# Altium PCB Driver.PcbDoc (continued)
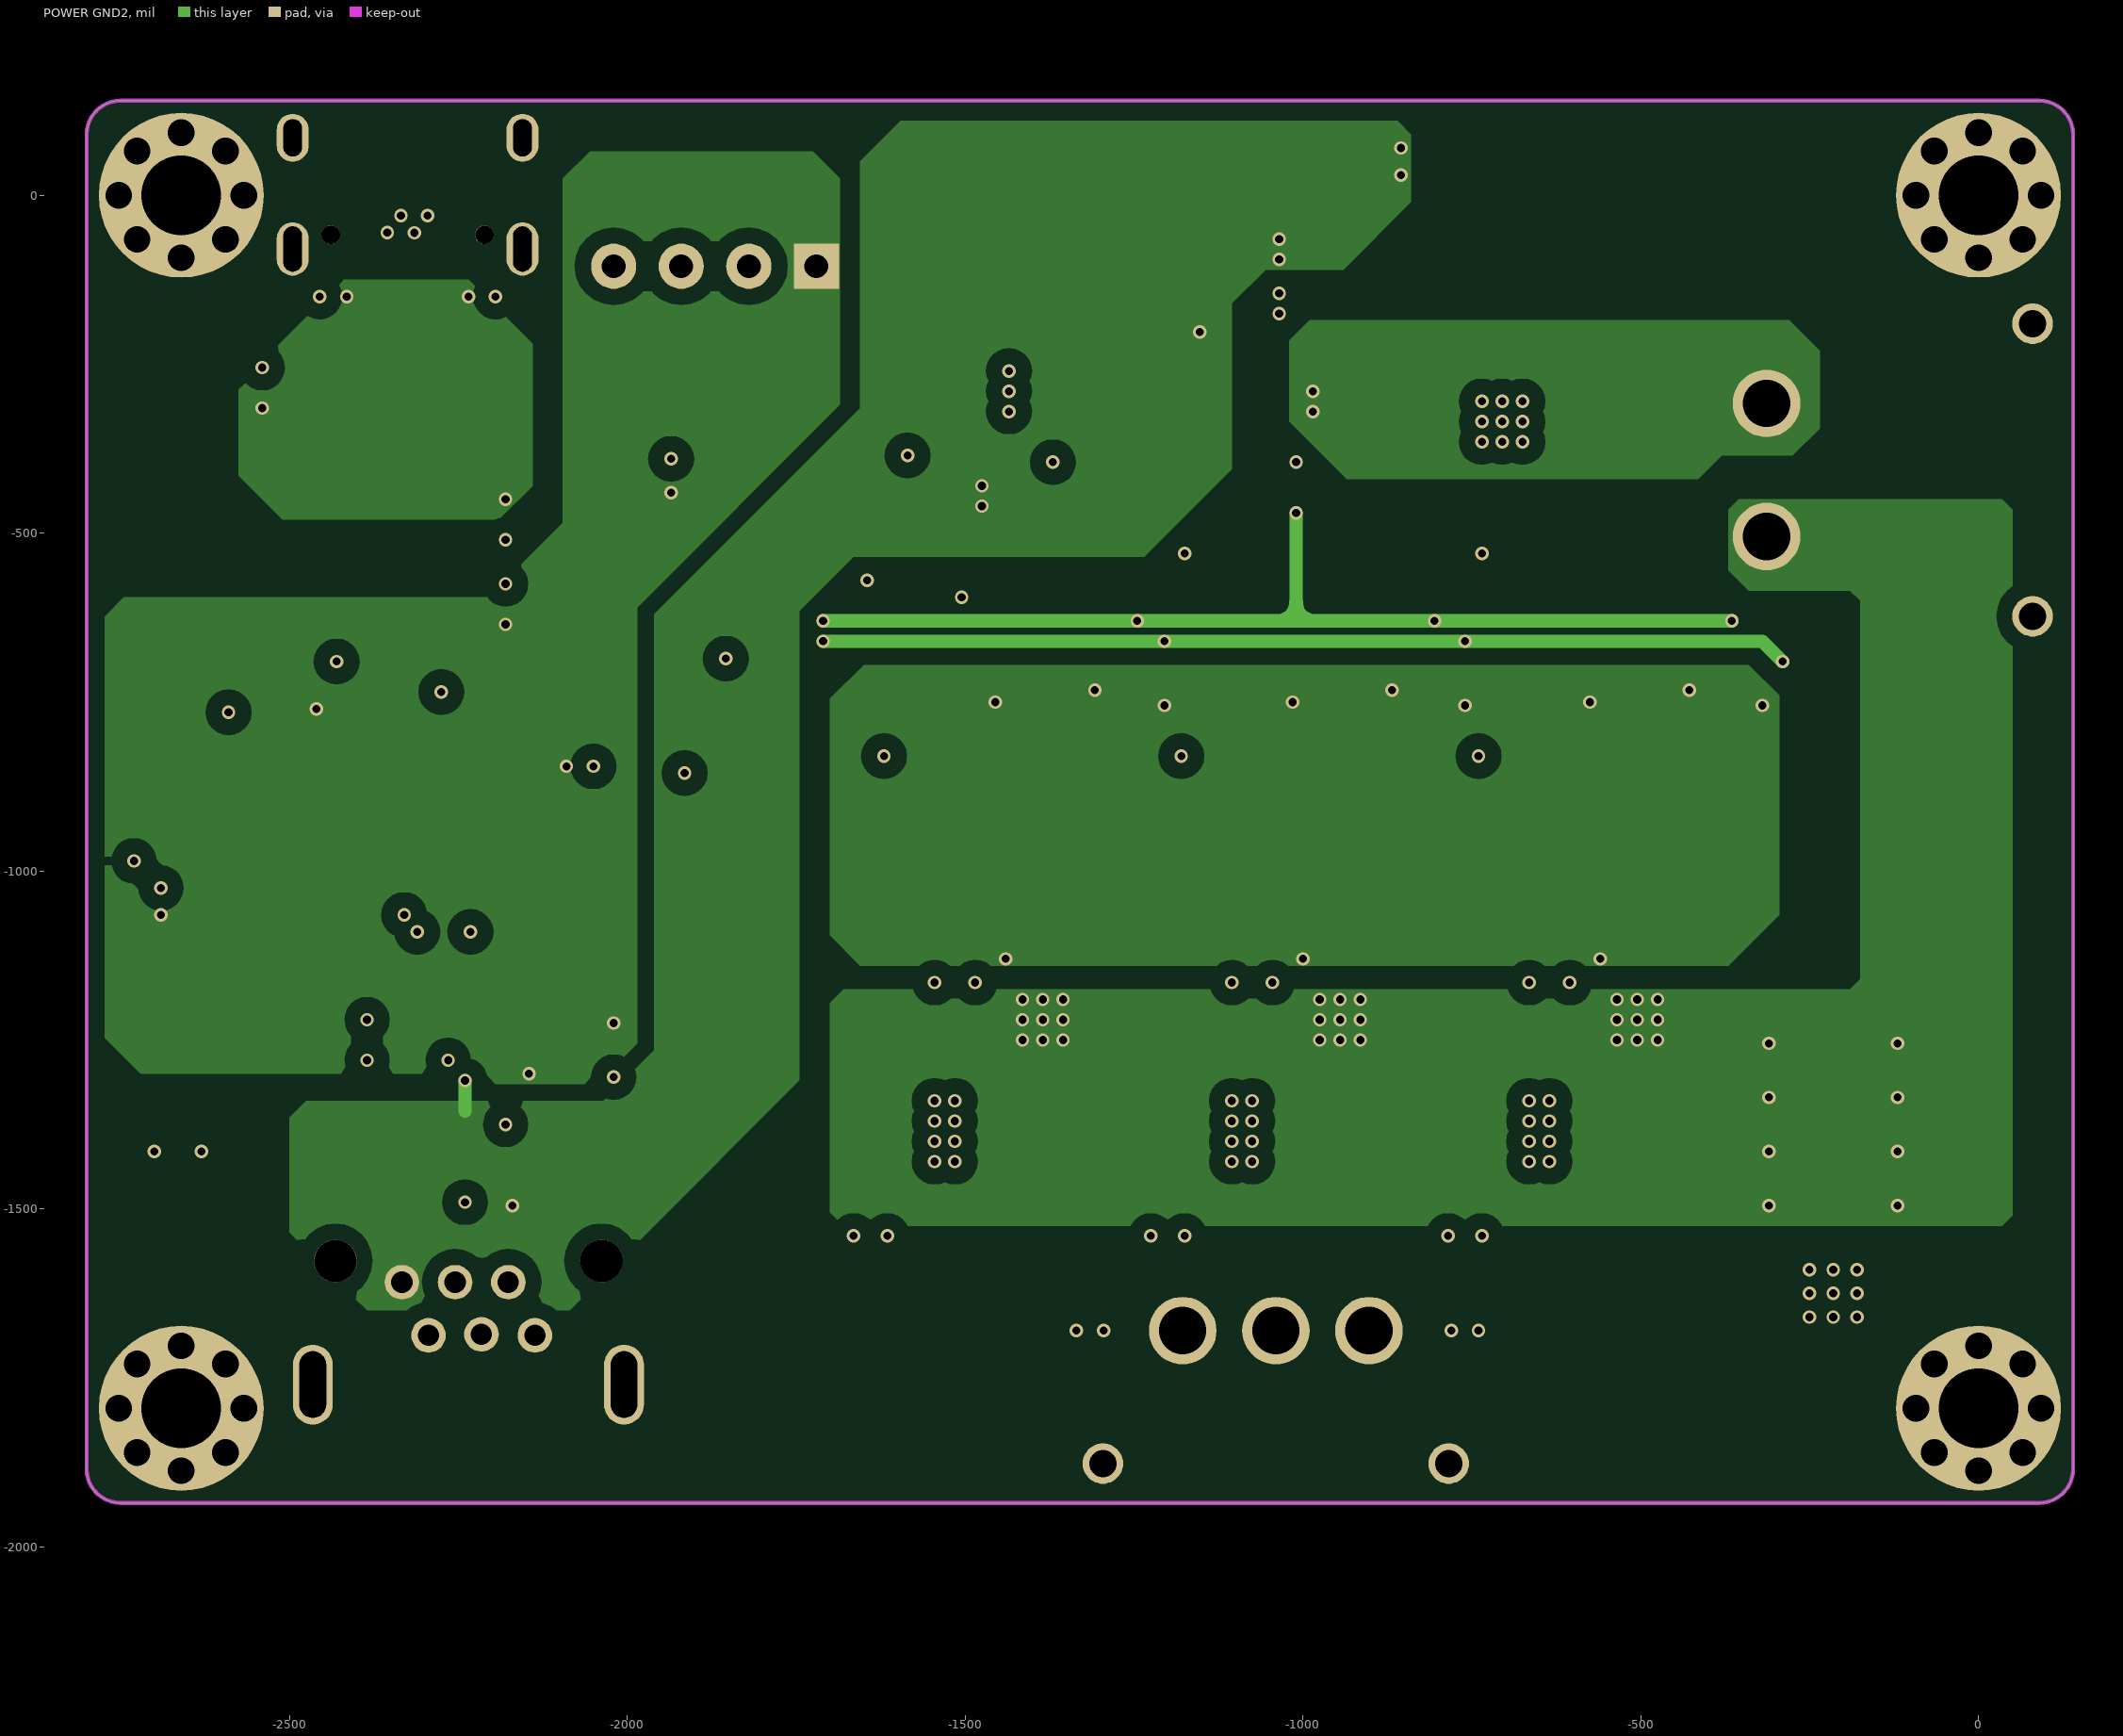
[diagram p3: POWER GND2]
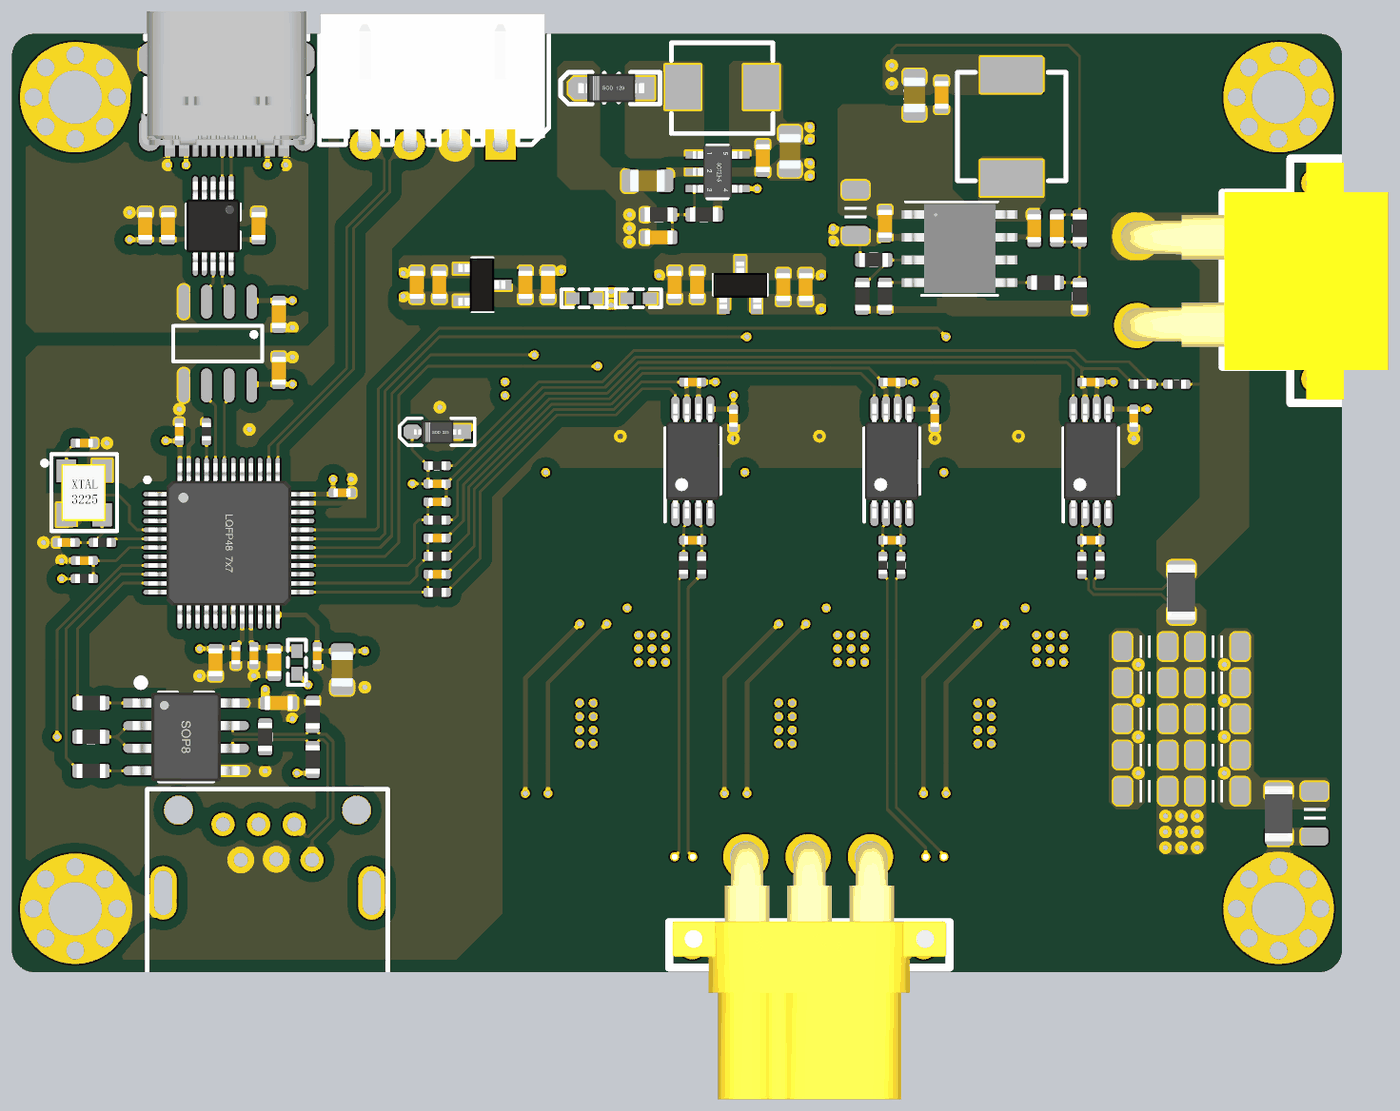
[diagram p4: 3D render of the assembled board from above, using the file's embedded part models]
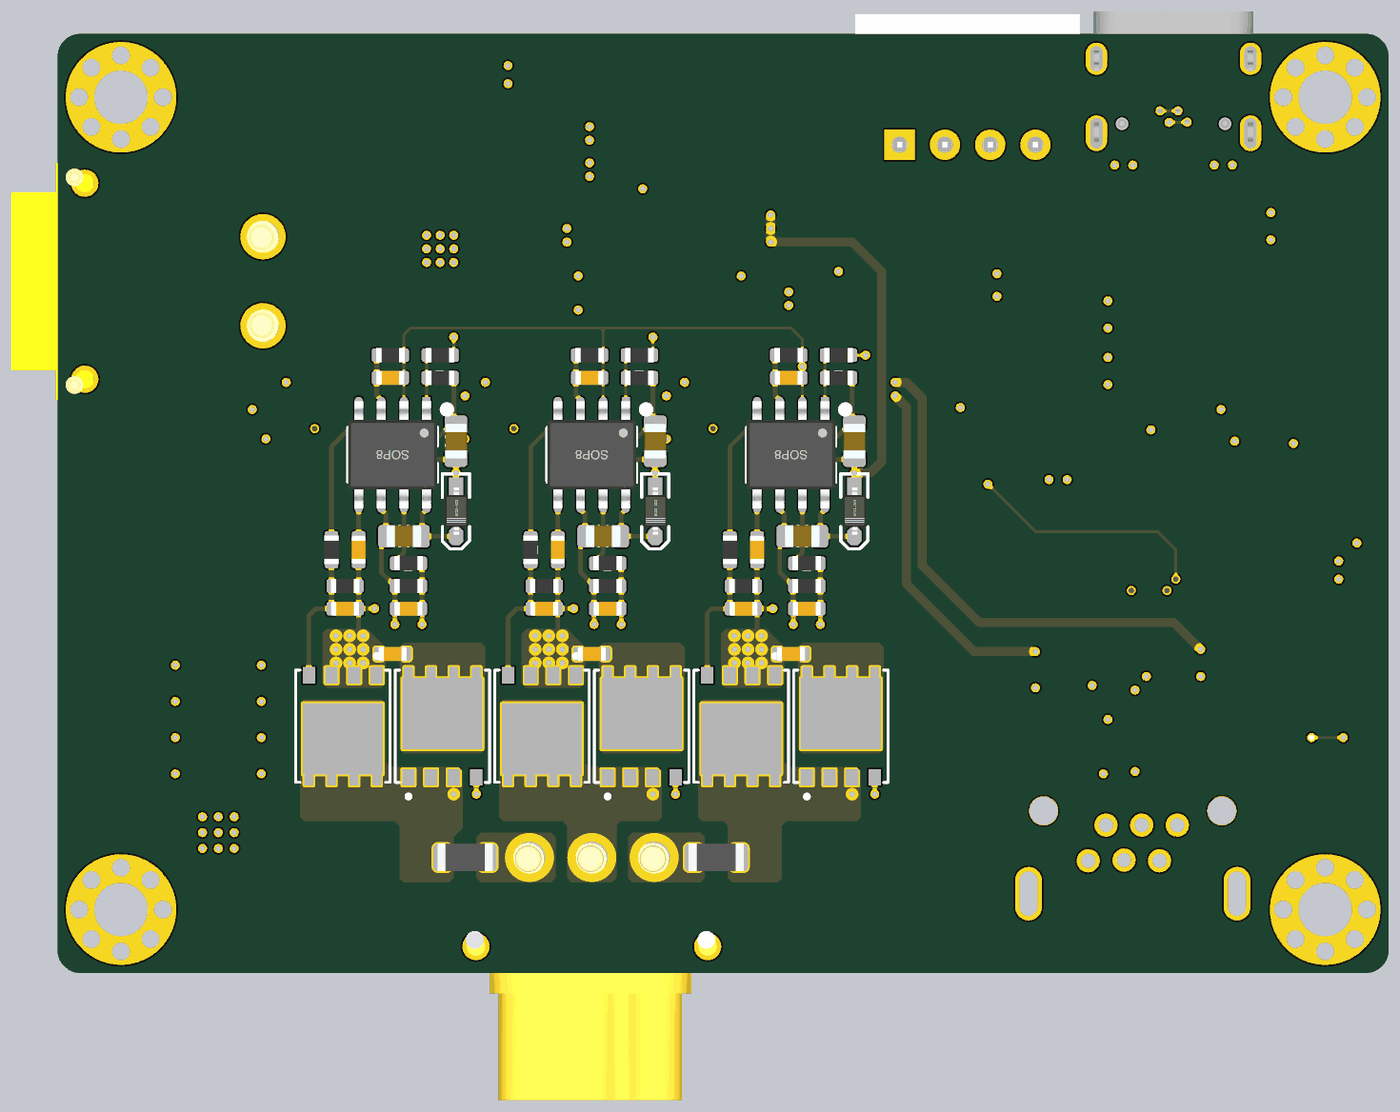
[diagram p5: 3D render of the assembled board from below, using the file's embedded part models]

## Layer stack, top to bottom
Top Solder: solder mask 0.4, Solder Resist, Dk 3.5
Top Layer: signal copper 1.4
Dielectric 2: prepreg 2.8, PP-006, Dk 4.1
POWER GND1: signal copper 1.378
Dielectric 1: dielectric 12.6, FR-4, Dk 4.8
POWER GND2: signal copper 1.378
Dielectric 3: prepreg 2.8, PP-006, Dk 4.1
Bottom Layer: signal copper 1.4
Bottom Solder: solder mask 0.4, Solder Resist, Dk 3.5

## Board outline
-2800,-1885 ccw(c-2750,-1885) -2750,-1935 90,-1935 ccw(c90,-1885) 140,-1885 140,90 ccw(c90,90) 90,140 -2750,140 ccw(c-2750,90) -2800,90

## Design rules (kind name [scope] priority, off if disabled: settings)
Clearance KeepOutLayer [((IsTrack Or IsArc) And Not InPoly) And IsFree and IsKeepOut vs ((IsTrack Or IsArc) And Not InPoly) And IsFree and IsKeepOut] p1: gap=0 ignorepadtopadclearanceinfootprint=FALSE
Clearance Clearance_Poly [InPolygon] p2: gap=23.62 ignorepadtopadclearanceinfootprint=FALSE except(0: Arc-Hole Track-Hole SMDPad-Hole THPad-Hole Via-Hole Fill-Hole Poly-Hole Region-Hole Text-Hole)
Clearance [All] p3: gap=6 ignorepadtopadclearanceinfootprint=FALSE except(0: Arc-Hole Track-Hole SMDPad-Hole THPad-Hole Via-Hole Fill-Hole Poly-Hole Region-Hole Text-Hole)
DiffPairsRouting [All] p1: maxlimit=10 minlimit=6 mostfreqgap=6 toplayer_minwidth=6 toplayer_maxwidth=15 toplayer_prefwidth=6 midlayer1_minwidth=6 midlayer1_maxwidth=15 midlayer1_prefwidth=6 midlayer2_minwidth=6 midlayer2_maxwidth=15 midlayer2_prefwidth=6 bottomlayer_minwidth=6 bottomlayer_maxwidth=15 bottomlayer_prefwidth=6 maxuncoupledlength=500
PolygonConnect [All] p1: connectstyle=Direct reliefconductorwidth=10 reliefentries=4 polygonreliefangle="90 Angle" airgapwidth=10
RoutingVias [All] p1: holewidth=28 width=50 viastyle="Through Hole" minholewidth=28 minwidth=50 maxholewidth=28 maxwidth=50
SolderMaskExpansion [All] p1: expansion=4 istentingtop=FALSE
Width [All] p1: maxlimit=100 minlimit=6 preferedwidth=6
29 further rules are at their usual default settings.

## Classes and differential pairs
component class Main: C60 H1 H2 H3 H4 R46
component class Power: C44 C45 C46 C47 C48 C49 C50 C52 C53 C54 C55 C56 C57 C58 C59 C61 C63 C64 CP14 D1 D7 FB3 FB4 JP5 L1 L2 R7 R37 R38 R39 R40 R41 R42 R43 R44 R45 R49 U10 U11 U12 U14
component class Driver: C2 C3 C7 C8 C9 C10 C11 C12 C13 C14 C15 C16 C17 C18 C19 C20 C21 C22 C23 C24 C25 C26 C27 C28 C29 C30 C41 C42 C43 C51 CP1 CP2 CP3 CP4 CP5 CP6 CP7 CP8 CP9 CP10 CP11 CP12 CP13 D3 D4 D5 JP3 M1 M2 M3 M4 M5 M6 R8 R9 R10 R11 R12 R13 R14 R15 R16 R17 R18 R19 R20 R21 R22 R23 R24 R25 R26 R27 R28 R29 R30 R31 R32 R33 R36 R47 R48 R50 RS1 RS2 RS3 U2 U4 U5 U6 U7 U8
component class Controller: C31 C32 C33 C34 C35 C36 C37 C38 C39 C40 C62 FB1 JP4 R34 R35 R51 U9 X1
component class Communication: C1 C4 C5 C6 C65 C66 JP1 R1 R2 R3 R4 R5 R6 U1 U3 U13 USB1
differential pair USB_D: +USB_D_P -USB_D_N
differential pair 485: +485_P -485_N

## Components (designator, comment, footprint, x,y, rotation, side; value= is the part's Value field where it differs from the comment)
C1 "100nF" C0603 -2210,-1340 r180 top
C2 "1nF" C0402 -1860,-1055 r0 top
C3 "1nF" C0402 -1860,-975 r0 top
C4 "100nF" C0603 -2255,-285 r90 top
C5 "100nF" C0603 -2455,-285 r90 top
C6 "10uF" C0603 -2505,-285 r90 top
C7 "10uF" C0805 -1620,-760 r90 bottom
C8 "100nF" C0603 -965,-1000 r270 bottom
C9 "1uF" C0805 -1505,-970 r0 bottom
C10 "1nF" C0402 -1860,-895 r0 top
C11 "1.5nF/25V" C0402 -1295,-980 r180 top
C12 "100nF" C0402 -760,-710 r90 top
C13 "100nF" C0402 -855,-630 r0 top
C14 "1nF" C0603 -1475,-620 r0 bottom
C15 "4.7nF" C0603 -1515,-1130 r0 bottom
C16 "1.5nF/25V" C0402 -855,-980 r180 top
C17 "100nF" C0402 -1205,-710 r90 top
C18 "100nF" C0402 -1295,-630 r0 top
C19 "10uF" C0805 -1180,-760 r90 bottom
C20 "100nF" C0603 -1405,-1000 r270 bottom
C21 "1uF" C0805 -1065,-970 r0 bottom
C22 "4.7nF" C0603 -1375,-1130 r180 bottom
C23 "1nF" C0603 -1035,-620 r0 bottom
C24 "4.7nF" C0603 -1075,-1130 r0 bottom
C25 "10uF" C0805 -740,-760 r90 bottom
C26 "100nF" C0603 -525,-1000 r270 bottom
C27 "1uF" C0805 -625,-970 r0 bottom
C28 "4.7nF" C0603 -935,-1130 r180 bottom
C29 "1nF" C0603 -595,-620 r0 bottom
C30 "4.7nF" C0603 -635,-1130 r0 bottom
C31 "10uF" C0805 -2070,-1265 r90 top
C32 "100nF" C0402 -2070,-875 r180 top
C33 "100nF" C0402 -2125,-1235 r90 top
C34 "100nF" C0402 -2430,-740 r270 top
C35 "1uF" C0603 -2220,-1250 r270 top
C36 "100nF" C0402 -2265,-1235 r270 top
C37 "100nF" C0402 -2305,-1235 r270 top
C38 "20pF" C0402 -2640,-765 r180 top
C39 "20pF" C0402 -2680,-985 r0 top
C40 "100nF" C0402 -2640,-1025 r0 top
C41 "4.7nF" C0603 -495,-1130 r180 bottom
C42 "1.5nF/25V" C0402 -415,-980 r180 top
C43 "100nF" C0402 -320,-710 r90 top
C44 "10uF" C0603 -1285,-415 r270 top
C45 "100nF" C0603 -1335,-415 r270 top
C46 "10uF" C0603 -1045,-420 r270 top
C47 "10uF" C0603 -1615,-415 r270 top
C48 "100nF" C0603 -1665,-415 r270 top
C49 "10uF" C0603 -1905,-415 r270 top
C50 "100nF" C0603 -540,-290 r90 top
C51 "100nF" C0402 -415,-630 r0 top
C52 "100nF/100V" C0603 -870,-280 r270 top
C53 "100nF" C0603 -745,5 r90 top
C54 "22uF" C0805 -805,5 r270 top
C55 "100pF" C0603 -490,-290 r270 top
C56 "4.7pF" C0603 -1370,-310 r180 top
C57 "4.7uF" C0805 -1395,-185 r180 top
C58 "10uF" C0805 -1080,-120 r90 top
C59 "100nF" C0603 -1140,-135 r90 top
C60 "1nF/2000V" C1206 80,-1585 r270 top
C61 "1nF" C0402 -1860,-855 r0 top
C62 "1uF" C0603 -2350,-1250 r270 top
C63 "100nF" C0603 -1095,-420 r270 top
C64 "100nF" C0603 -1855,-415 r270 top
C65 "100nF" C0603 -2210,-480 r90 top
C66 "100nF" C0603 -2210,-605 r90 top
CP1 "100nF/100V" C0603 -1480,-1230 r180 bottom
CP2 "100nF/100V" C0603 -1040,-1230 r180 bottom
CP3 "47uF/100V" C1206 -135,-1375 r180 top
CP4 "47uF/100V" C1206 -135,-1295 r180 top
CP5 "47uF/100V" C1206 -135,-1215 r180 top
CP6 "47uF/100V" C1206 -295,-1375 r0 top
CP7 "47uF/100V" C1206 -295,-1455 r0 top
CP8 "100nF/100V" C0603 -600,-1230 r180 bottom
CP9 "47uF/100V" C1206 -295,-1215 r0 top
CP10 "47uF/100V" C1206 -295,-1295 r0 top
CP11 "47uF/100V" C1206 -135,-1535 r180 top
CP12 "47uF/100V" C1206 -135,-1455 r180 top
CP13 "47uF/100V" C1206 -295,-1535 r0 top
CP14 "10uF/100V" C1206 -935,-255 r270 top
D1 "MM3Z3V3B" SOD-323 -1860,-740 r180 top
D3 "MMDL914" SOD-323 -1620,-915 r270 bottom
D4 "MMDL914" SOD-323 -1180,-915 r270 bottom
D5 "MMDL914" SOD-323 -740,-915 r270 bottom
D7 "MBR0530" SOD-123 -1475,20 r180 top
FB1 "600 Ohms@100MHz" "FB 0402" -2170,-1250 r90 top
FB3 "FCM1608KF-301T05" "FB 0402" -1415,-445 r0 top
FB4 "FCM1608KF-301T05" "FB 0402" -1535,-445 r180 top
H1 "HOLE" "定位孔 Φ3 1" 0,0 r0 top
H2 "HOLE" "定位孔 Φ3 1" -2660,-1795 r0 top
H3 "HOLE" "定位孔 Φ3 1" 0,-1795 r0 top
H4 "HOLE" "定位孔 Φ3 1" -2660,0 r0 top
JP1 "1394-6P" 1394-6P -2235,-1760 r0 top
JP3 "MR30PW" MR30PW-FB -902.21,-1680 r180 top
JP4 "HDR-1X4" XH2.54-4P_H -1720,-105 r180 top
JP5 "XT30PW" XT30PW-M -313.7,-308.11 r270 top
L1 "47uH" "L 0630" -590,-65 r90 top
L2 "6.8uH" "L 0530" -1230,20 r180 top
M1 "BSC070N10NS5" TDSON-8 -1590,-1390 r180 bottom
M2 "BSC070N10NS5" TDSON-8 -1370,-1390 r0 bottom
M3 "BSC070N10NS5" TDSON-8 -1150,-1390 r180 bottom
M4 "BSC070N10NS5" TDSON-8 -930,-1390 r0 bottom
M5 "BSC070N10NS5" TDSON-8 -710,-1390 r180 bottom
M6 "BSC070N10NS5" TDSON-8 -490,-1390 r0 bottom
R1 "1K" R0603 -2135,-1365 r90 top
R2 "100Ω" R0603 -2625,-1340 r0 top
R3 "100Ω" R0603 -2625,-1415 r0 top
R4 "220Ω" R0603 -2240,-1415 r90 top
R5 "100Ω" R0603 -2625,-1490 r0 top
R6 "1K" R0603 -2135,-1465 r90 top
R7 "1K" R0402 -1860,-815 r180 top
R8 "1K" R0402 -1860,-1015 r0 top
R9 "5.1Ω" R0603 -1515,-1030 r0 bottom
R10 "10Ω" R0402 -1315,-1035 r270 top
R11 "10K" R0603 -1515,-1080 r180 bottom
R12 "390Ω" R0603 -1585,-570 r180 bottom
R13 "10Ω" R0402 -1275,-1035 r270 top
R14 "5.1Ω" R0603 -1345,-1000 r90 bottom
R15 "10K" R0603 -1475,-570 r0 bottom
R16 "10K" R0603 -1585,-620 r180 bottom
R17 "10K" R0603 -1375,-1080 r0 bottom
R18 "10Ω" R0402 -875,-1035 r270 top
R19 "10Ω" R0402 -835,-1035 r270 top
R20 "5.1Ω" R0603 -1075,-1030 r0 bottom
R21 "10K" R0603 -1075,-1080 r180 bottom
R22 "390Ω" R0603 -1145,-570 r180 bottom
R23 "5.1Ω" R0603 -905,-1000 r90 bottom
R24 "10K" R0603 -1035,-570 r0 bottom
R25 "10K" R0603 -1145,-620 r180 bottom
R26 "10K" R0603 -935,-1080 r0 bottom
R27 "5.1Ω" R0603 -635,-1030 r0 bottom
R28 "10K" R0603 -635,-1080 r180 bottom
R29 "390Ω" R0603 -705,-570 r180 bottom
R30 "5.1Ω" R0603 -465,-1000 r90 bottom
R31 "10K" R0603 -595,-570 r0 bottom
R32 "10K" R0603 -705,-620 r180 bottom
R33 "10K" R0603 -495,-1080 r0 bottom
R34 "10K" R0402 -2370,-740 r90 top
R35 "10K" R0402 -2640,-1065 r0 top
R36 "10Ω" R0402 -435,-1035 r270 top
R37 "180K" R0603 -895,-360 r180 top
R38 "2K" R0603 -515,-410 r180 top
R39 "105K" R0603 -440,-290 r90 top
R40 "470K" R0402 -225,-635 r0 top
R41 "42.4K" R0603 -920,-440 r90 top
R42 "20K" R0603 -440,-440 r90 top
R43 "15K" R0402 -300,-635 r0 top
R44 "1.8M" R0603 -1370,-260 r0 top
R45 "205K" R0603 -1270,-260 r0 top
R46 "3.3M" R1206 0,-1585 r90 top
R47 "1K" R0402 -1860,-935 r0 top
R48 "10Ω" R0402 -395,-1035 r270 top
R49 "510K" R0603 -870,-440 r90 top
R50 "1K" R0402 -1860,-1095 r0 top
R51 "390" R0402 -2600,-985 r0 top
RS1 "6mΩ" R1206 -1315,-1680 r180 bottom
RS2 "6mΩ" R1206 -760,-1680 r0 bottom
RS3 "3mΩ" R1206 -215,-1095 r90 top
U1 "CA-IF4820" SOP8_N -2415,-1415 r0 top
U2 "INA240A2PW" "TSSOP8_L 3*4.4mm" -415,-805 r90 top
U3 "CH340E" MSOP10 -2355,-285 r270 top
U4 "INA240A2PW" "TSSOP8_L 3*4.4mm" -1295,-805 r90 top
U5 "IR2184" SOP8_L -1480,-790 r270 bottom
U6 "INA240A2PW" "TSSOP8_L 3*4.4mm" -855,-805 r90 top
U7 "IR2184" SOP8_L -1040,-790 r270 bottom
U8 "IR2184" SOP8_L -600,-790 r270 bottom
U9 "STM32G431CBT6" "LQFP48 7X7_L" -2320.5,-986.5 r270 top
U10 "SCT2A10STER" DDA8_3P1X2P41-L -705,-335 r0 top
U11 "XC6206P332" SOT23-3L -1760,-415 r270 top
U12 "REF3330" SOT23-3L -1190,-415 r0 top
U13 "CA-IS3722" "SOIC8_L W=3.9mm" -2345,-545 r270 top
U14 "TPS61041" SOT23-5L -1240,-165 r270 top
USB1 "TYPE-C-16P" USB-C_16P -2325,-10 r180 top
X1 "24MHz" XTAL-3225 -2640,-875 r0 top

## Footprints (in the part's own frame and the unit in brackets; to place one, negate y for a bottom-side part, rotate by r counter-clockwise, add the part's x,y. Pads: shape width x height; smd on the part's side, far side on the other; paste and mask are expansions set on the pad)
1394-6P [mm]
  round 1.3 hole 0.8: 1(-2.5,3.85) 2(-1.5,1.85) 3(-0.5,3.85) 4(0.49,1.89) 5(1.5,3.85) 6(2.5,1.85)
  oval 1.5x3 hole 1 slot 2.5 at 90 deg: 7(-5.85,0) 8(5.85,0)
  round 1.6 hole 1.6: 9(-5,4.65) 10(5,4.65)
  silkscreen extent -6.75,-10.78 6.75,5.82, body extent -6.75,-10.78 6.75,5.82, height 8.9
C0402 [mil]
  rrect50% 20x20 smd: 1(-20,0) 2(20,0)
  silkscreen extent -6,-9 6,9, body extent -20,-10 20,10, height 20
C0603 [mil]
  rrect50% 22x30 smd: 1(-30,0) 2(30,0)
  silkscreen extent -10,-15 10,15, body extent -31,-16 32,16, height 31
C0805 [mil]
  rrect50% 34x50 smd: 1(-40,0) 2(40,0)
  silkscreen extent -12,-24 12,24, body extent -40,-25 40,25, height 37
C1206 [mil]
  rrect50% 40x60 smd: 1(-50,0) 2(50,0)
  silkscreen extent -12,-24 12,24, body extent -59,-30 59,30, height 59
DDA8_3P1X2P41-L [mil]
  rect 66x19 smd paste+0 mask+0: 1(-95,75) 2(-95,25) 3(-95,-25) 4(-95,-75) 5(95,-75) 6(95,-25) 7(95,25) 8(95,75)
  rect 95x122 smd paste-60.5 mask-60.5: EPAD(0,0)
  silkscreen extent -120,-104 84,104, body extent -122,-99 122,99, height 67
"FB 0402" [mil] "贴片磁珠"
  rect 30x25 smd: 1(-25,0) 2(25,0)
  silkscreen extent -50,-20 50,20, body extent -20,-10 20,10, height 19
"L 0530" [mm]
  rect 2x2.5 smd: 1(-2.2,-0.059) 2(2.2,-0.059)
  silkscreen extent -2.85,-2.55 2.85,2.55, body extent -2.8,-2.55 2.8,2.45, height 3
"L 0630" [mm]
  rect 2x3.5 smd: 1(-2.9,0) 2(2.9,0)
  silkscreen extent -3.05,-3.05 3.05,3.05, body extent -3.5,-3 3.5,3, height 3.15
"LQFP48 7X7_L" [mm] "48脚，体宽7x7mm，脚距0.5mm"
  oval 0.25x1.55 smd: 1(-2.75,-4.025) 2(-2.25,-4.025) 3(-1.75,-4.025) 4(-1.25,-4.025) 5(-0.75,-4.025) 6(-0.25,-4.025) 7(0.25,-4.025) 8(0.75,-4.025) 9(1.25,-4.025) 10(1.75,-4.025) 11(2.25,-4.025) 12(2.75,-4.025) 25(2.75,4.025) 26(2.25,4.025) 27(1.75,4.025) 28(1.25,4.025) 29(0.75,4.025) 30(0.25,4.025) 31(-0.25,4.025) 32(-0.75,4.025) 33(-1.25,4.025) 34(-1.75,4.025) 35(-2.25,4.025) 36(-2.75,4.025)
  oval 1.55x0.25 smd: 13(4.025,-2.75) 14(4.025,-2.25) 15(4.025,-1.75) 16(4.025,-1.25) 17(4.025,-0.75) 18(4.025,-0.25) 19(4.025,0.25) 20(4.025,0.75) 21(4.025,1.25) 22(4.025,1.75) 23(4.025,2.25) 24(4.025,2.75) 37(-4.025,2.75) 38(-4.025,2.25) 39(-4.025,1.75) 40(-4.025,1.25) 41(-4.025,0.75) 42(-4.025,0.25) 43(-4.025,-0.25) 44(-4.025,-0.75) 45(-4.025,-1.25) 46(-4.025,-1.75) 47(-4.025,-2.25) 48(-4.025,-2.75)
  silkscreen extent -3.68,-4.7 3.05,3.05, body extent -4.5,-4.5 4.5,4.5, height 1.45
MR30PW-FB [mil]
  round 100 hole 70: 1(0,0) 2(137.79,0) 3(275.59,0)
  round 60 hole 40: 4(-118.11,196.85) 5(393.7,196.85)
  silkscreen extent -175,145 445,245, body extent -168,-33 438,536, height 197
MSOP10 [mil]
  rect 50x11 smd: 1(-85,39.37)
  oval 50x11 smd: 2(-85,19.69) 3(-85,0) 4(-85,-19.69) 5(-85,-39.37) 6(85,-39.37) 7(85,-19.68) 8(85,0) 9(85,19.69) 10(85,39.37)
  silkscreen extent -48,-59 48,59, body extent -99,-59 99,59, height 41
R0402 [mil]
  rrect50% 20x20 smd: 1(-20,0) 2(20,0)
  silkscreen extent -7,-10 7,10, body extent -20,-10 20,10, height 14
R0603 [mil]
  rrect50% 22x30 smd: 1(-30,0) 2(30,0)
  silkscreen extent -10,-16 10,16, body extent -31,-16 31,16, height 18
R1206 [mil]
  rrect50% 40x60 smd: 1(-50,0) 2(50,0)
  silkscreen extent -20,-30 20,30, body extent -61,-31 61,31, height 19
SOD-123 [mil] "2.7x1.6X1.1mm（长宽高，不包括引脚）"
  rect 55x50 smd: A(-67.5,0)
  oct 55x50 smd: K(67.5,0)
  silkscreen extent -108,-35 112,35, body extent -73,-31 73,31, height 48
SOD-323 [mm] "1.8x1.3X0.9mm（长宽高，不包括引脚）"
  rect 1x0.8 smd: A(-1.4,0)
  oct 1x0.8 smd: K(1.4,0)
  silkscreen extent -2.11,-0.76 2.11,0.76, body extent -1.34,-0.63 1.31,0.67, height 1
"SOIC8_L W=3.9mm" [mm] "SOIC, 8-Leads, Body 4.9x3.9mm, Pitch 1.27mm, IPC High Density"
  oval 1.9x0.6 smd: 1(-2.35,1.905) 2(-2.35,0.635) 3(-2.35,-0.635) 4(-2.35,-1.905) 5(2.35,-1.905) 6(2.35,-0.635) 7(2.35,0.635) 8(2.35,1.905)
  silkscreen extent -1,-2.5 1,2.5, body extent -3,-2.45 3,2.45, height 1.75
SOP8_L [mm] "5*6*1.8mm（长宽高）"
  rect 1.5x0.45 smd: 1(-2.5,1.905)
  oval 1.5x0.45 smd: 2(-2.5,0.635) 3(-2.5,-0.635) 4(-2.5,-1.905) 5(2.5,-1.905) 6(2.5,-0.635) 7(2.5,0.635) 8(2.5,1.905)
  silkscreen extent -2.69,-2.5 1.52,3.2, body extent -3,-2.5 3,2.5, height 1.9
SOP8_N [mm] "5*6*1.8mm（长宽高）"
  rect 1.8x0.5 smd: 1(-2.625,1.905)
  oval 1.8x0.5 smd: 2(-2.625,0.635) 3(-2.625,-0.635) 4(-2.625,-1.905) 5(2.625,-1.905) 6(2.625,-0.635) 7(2.625,0.635) 8(2.625,1.905)
  silkscreen extent -2.69,-2.5 1.52,3.2, body extent -3,-2.5 3,2.5, height 1.9
SOT23-3L [mm] "SOT23, 3-Leads, Body 2.9x1.3mm, Pitch 0.95mm, Lead Span 2.3mm - Reverse Pinning, IPC High Density"
  rect 0.6x1 smd: 1(-0.9,-1.125) 2(0.9,-1.125) 3(0,1.125)
  silkscreen extent -1.5,-0.58 1.5,0.58, body extent -1.5,-1.35 1.5,1.29, height 1.08
SOT23-5L [mm]
  rect 0.4x1 smd: 1(-0.95,-1.3) 2(0,-1.3) 3(0.95,-1.3) 4(0.95,1.3) 5(-0.95,1.3)
  silkscreen extent -1.5,-0.58 1.5,0.58, body extent -1.45,-1.4 1.45,1.4, height 1.09
TDSON-8 [mm]
  rect 0.5x0.925 smd: D(-1.905,2.865) D(-0.635,2.865) D(0.635,2.865) D(1.905,2.865)
  rect 4.5x4 smd: D(0,0.705)
  rect 0.7x0.925 smd: G(1.905,-2.865) S(-1.905,-2.865) S(-0.635,-2.865) S(0.635,-2.865)
  silkscreen extent -2.65,-4.05 2.65,3.15, body extent -2.57,-3.07 2.58,3.08, height 1.1
"TSSOP8_L 3*4.4mm" [mm]
  oval 1.4x0.45 smd: 1(-2.95,0.975) 2(-2.95,0.325) 3(-2.95,-0.325) 4(-2.95,-0.975) 5(2.95,-0.975) 6(2.95,-0.325) 7(2.95,0.325) 8(2.95,0.975)
  silkscreen extent -3.4,-1.55 1.85,1.55, body extent -3.21,-1.5 3.21,1.5, height 1.2
USB-C_16P [mm]
  oval 1.2x2 hole 0.7 slot 1.7 at 90 deg: 1(-4.32,1.765) 2(4.32,1.765)
  oval 1.2x1.8 hole 0.7 slot 1.4 at 90 deg: 3(-4.32,-2.415) 4(4.32,-2.415)
  rect 0.3x1.3 smd: A1(-3.35,2.415) A4(-2.55,2.415) A5(-1.25,2.415) A6(-0.25,2.415) A7(0.25,2.415) A8(1.25,2.415) A9(2.55,2.415) A12(3.35,2.415) B1(3.05,2.415) B4(2.25,2.415) B5(1.75,2.415) B6(0.75,2.415) B7(-0.75,2.415) B8(-1.75,2.415) B9(-2.25,2.415) B12(-3.05,2.415)
  round 0.7 hole 0.7 unplated: ""(-2.89,1.235) ""(2.89,1.235)
  silkscreen extent -4.57,-5.08 4.57,0.57, body extent -4.79,-5.08 4.79,2.63, height 3.25
XH2.54-4P_H [mm] "接插件，4P"
  rect 1.7x1.7 hole 0.9: 1(0,0)
  round 1.7 hole 0.9: 2(2.54,0) 3(5.08,0) 4(7.62,0)
  silkscreen extent -2.72,-7.53 10.16,0, body extent -2.5,-7.35 10.12,0.35, height 5.73
XT30PW-M [mil]
  round 100 hole 70: 1(0,0) 2(196.85,0)
  round 60 hole 40: 3(-118.11,393.7) 4(314.96,393.7)
  silkscreen extent -172,190 368,450, body extent -163,-35 360,556, height 205
XTAL-3225 [mil]